# Altium PCB DevKit - PCB.PcbDoc (part 1 of 2)
Units mil, origin at the board's own origin, x right, y up, seen from the top; angles counter-clockwise.
Board outline 3858.27 x 2047.24 mil, 2 copper layers (Top Layer, Bottom Layer), stack 61.855 mil thick; 117 components, 64 nets, 574 pads, 426 vias.
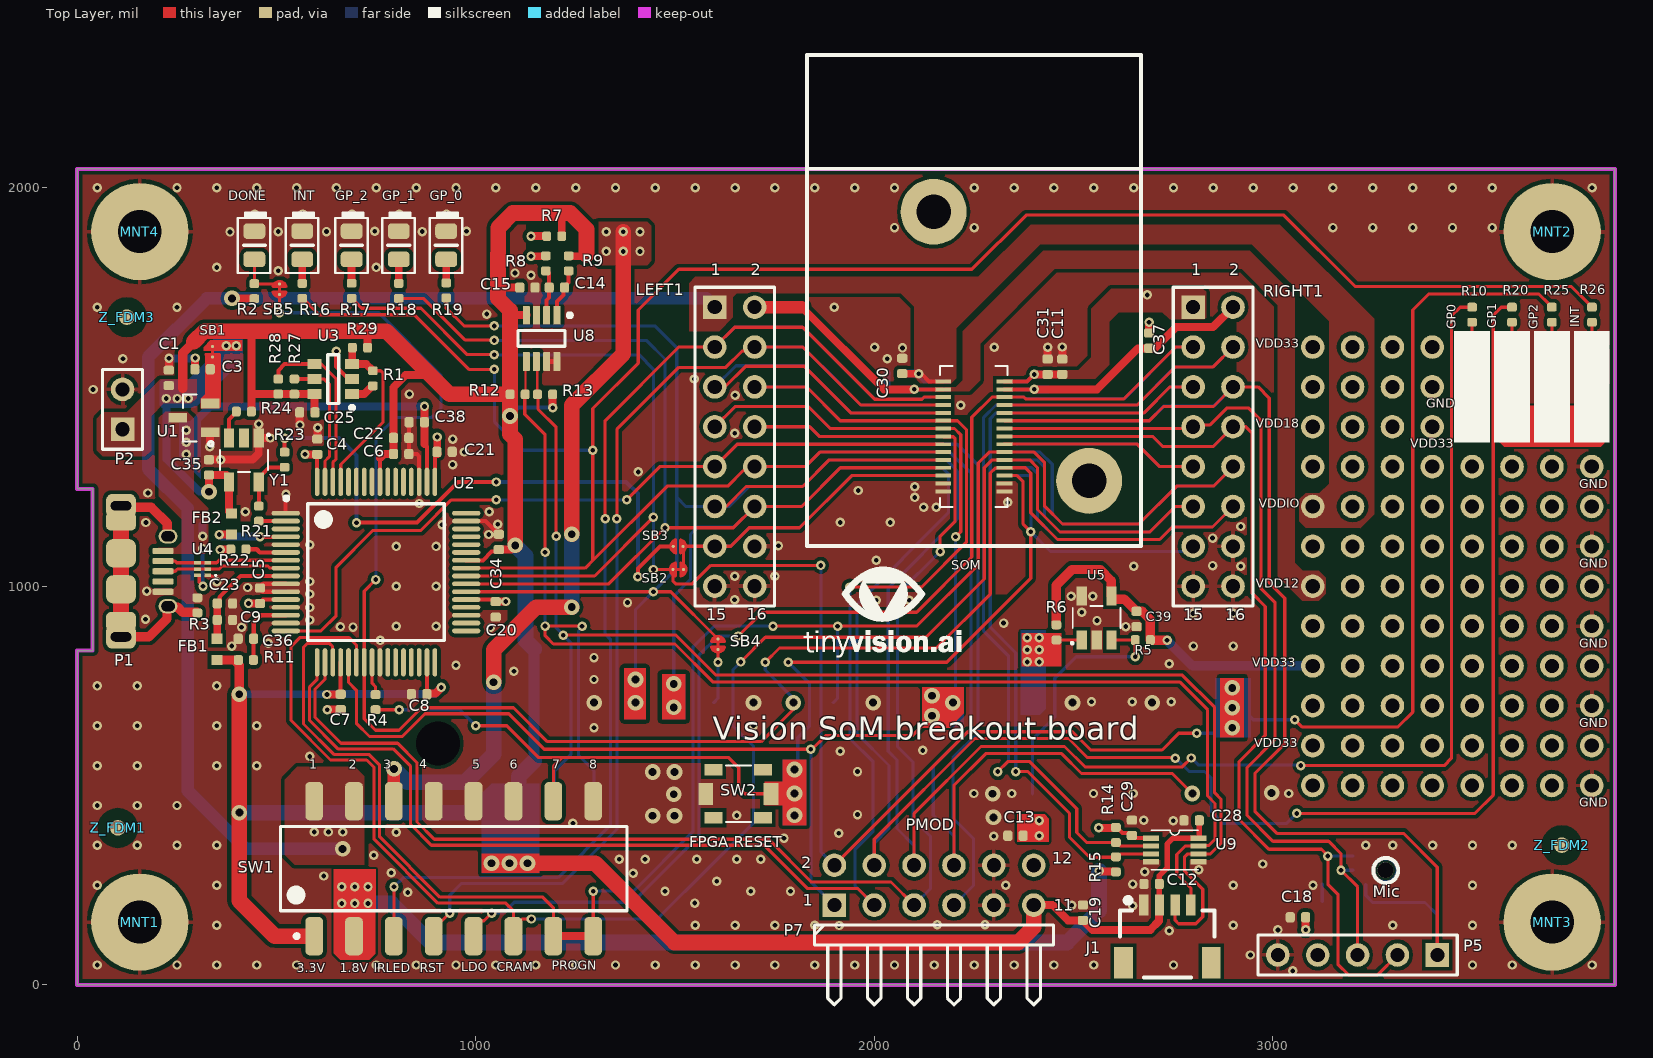
[diagram p0: Top Layer view]
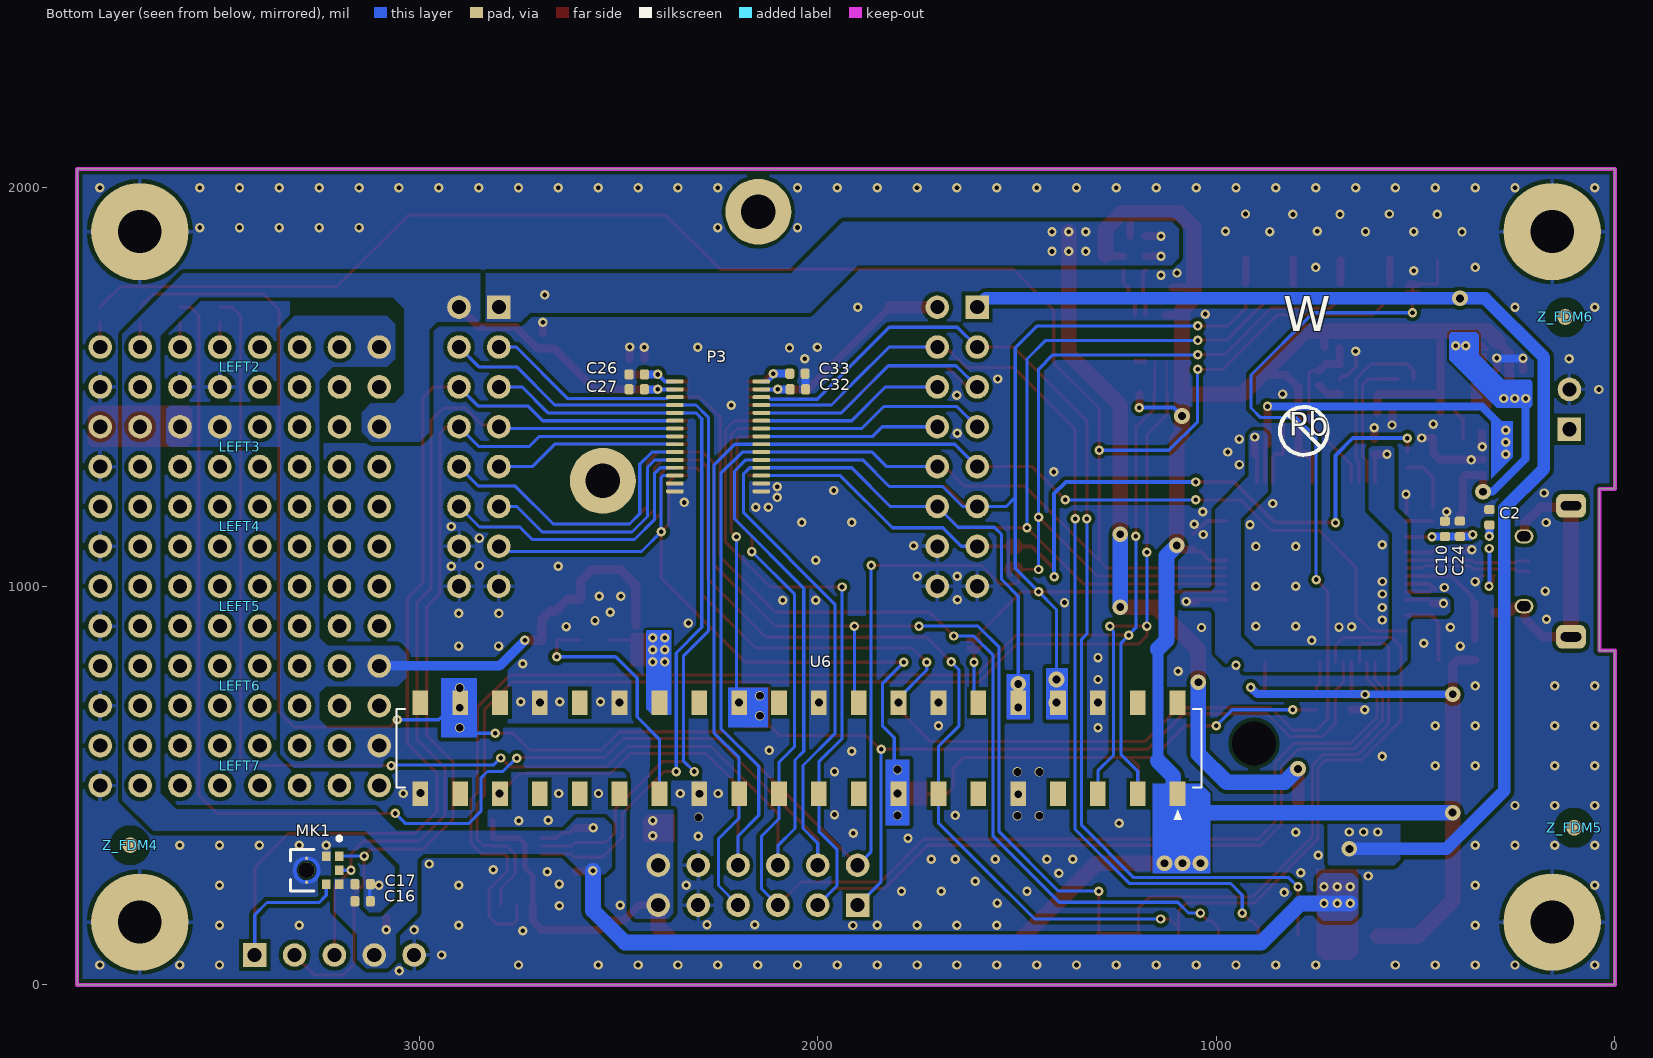
[diagram p1: Bottom Layer view, seen from below]
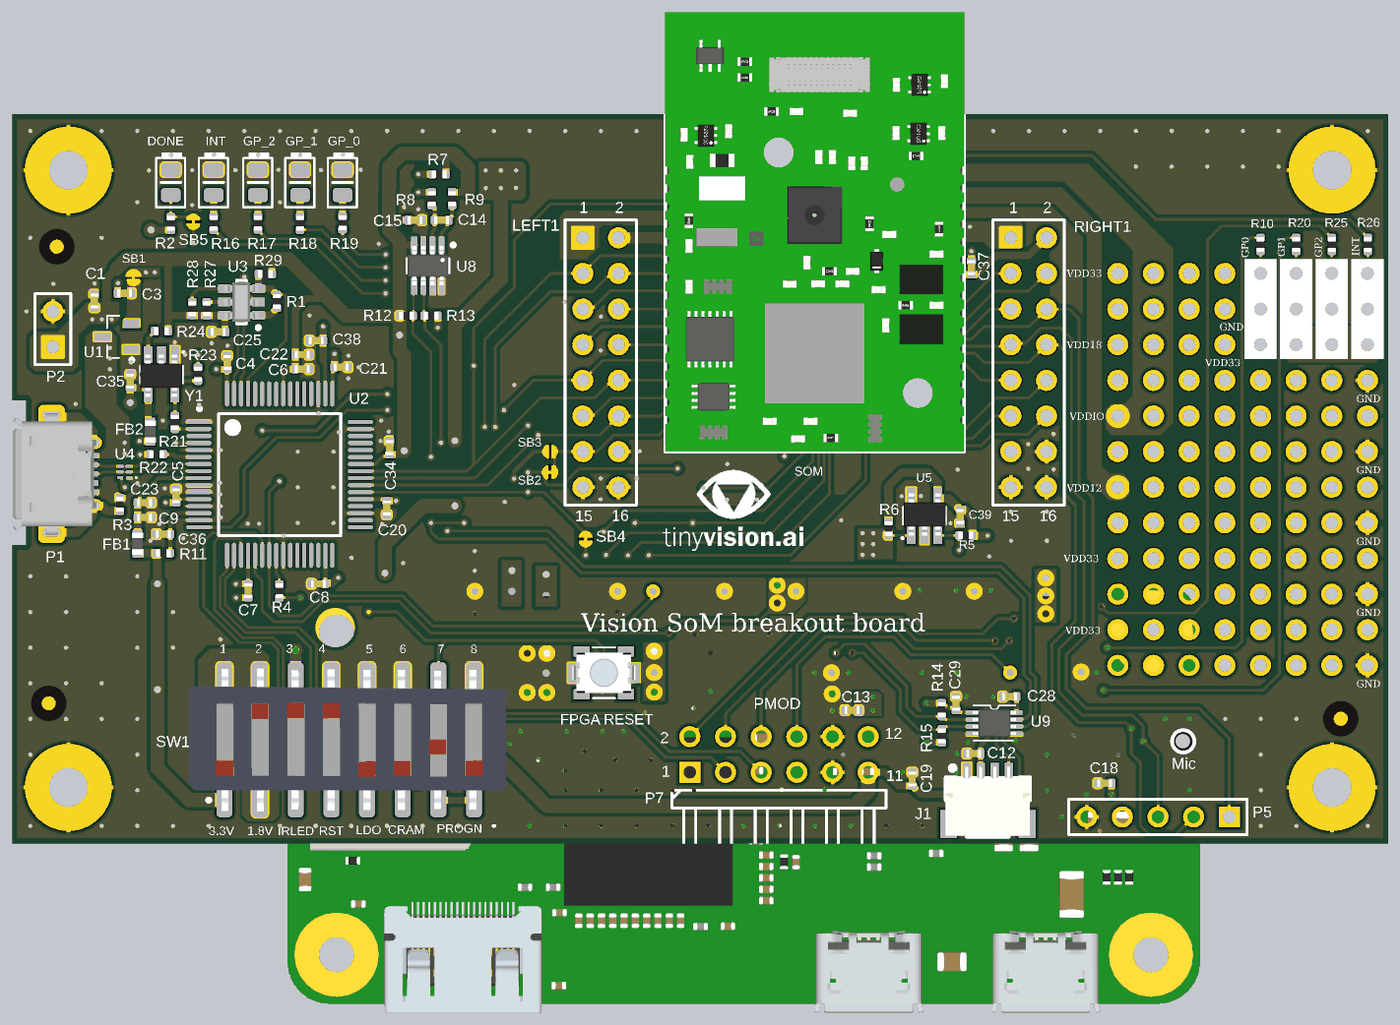
[diagram p3: 3D render of the assembled board from above, using the file's embedded part models]
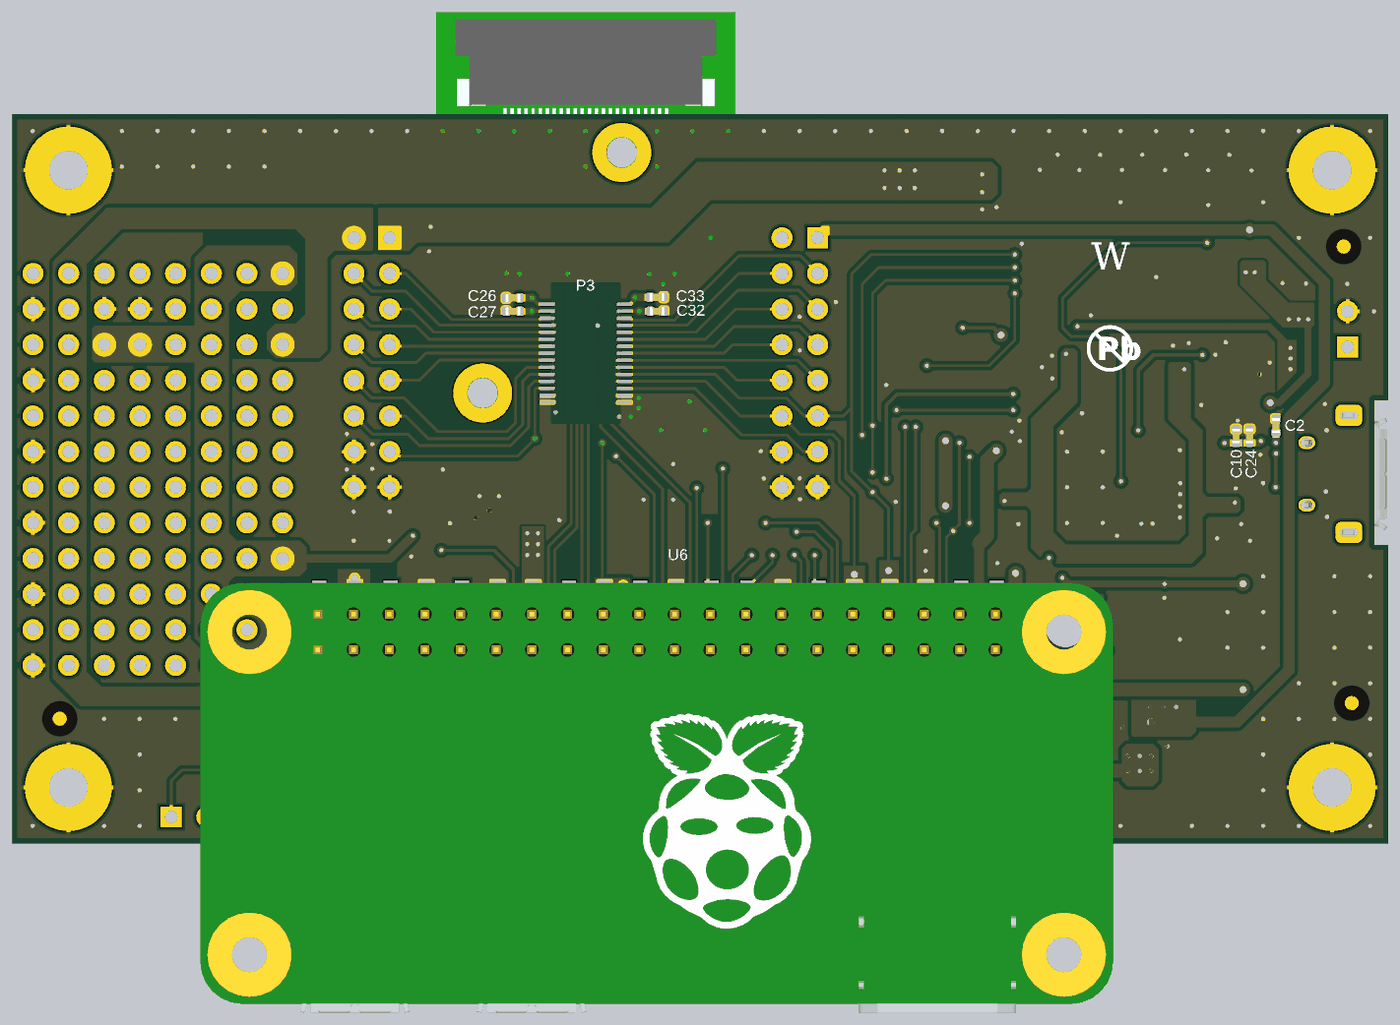
[diagram p4: 3D render of the assembled board from below, using the file's embedded part models]

## Layer stack, top to bottom
Top Solder: solder mask 0.4, Solder Resist, Dk 3.5
Top Layer: signal copper 1.4
Dielectric 1: dielectric 59.0551, FR-4, Dk 4.8
Bottom Layer: signal copper 1.4
Bottom Solder: solder mask 0.4, Solder Resist, Dk 3.5

## Board outline
0,0 0,838.58 39.37,838.58 39.37,1244.09 0,1244.09 0,2047.24 3858.27,2047.24 3858.27,0

## Design rules (kind name [scope] priority, off if disabled: settings)
Clearance [All] p1: gap=5.91 ignorepadtopadclearanceinfootprint=FALSE except(0: Text-Text; 5: Arc-Track Arc-SMDPad Arc-THPad Arc-Hole; 9.45: Arc-Poly Track-Poly SMDPad-Poly THPad-Poly Via-Poly Fill-Poly Poly-Poly)
ComponentClearance Y1 [InComponent('Y1')or InComponent('R20')or InComponent('R24')or InComponent('C1')] p1: gap=0 collisioncheckmode=3 verticalgap=0 showdistances=FALSE
ComponentClearance [All] p2: gap=8.5 collisioncheckmode=3 verticalgap=8.5 showdistances=FALSE
DiffPairsRouting [All] p1: maxlimit=10 minlimit=7.87 mostfreqgap=10 toplayer_minwidth=7.87 toplayer_maxwidth=15 toplayer_prefwidth=15 bottomlayer_minwidth=7.87 bottomlayer_maxwidth=15 bottomlayer_prefwidth=15 maxuncoupledlength=500
HoleSize [All] p1: absolutevalues=TRUE maxlimit=248.03 minlimit=1 maxpercent=80.000 minpercent=20.000
MinimumSolderMaskSliver [All] p1: minsoldermaskwidth=0
PlaneConnect [All] p1: planeconnectstyle=Direct reliefexpansion=20 reliefentries=4 reliefconductorwidth=10 reliefairgap=10
PolygonConnect PolygonConnect_PWR [InNetClass('PWR')] p1: connectstyle=Direct reliefconductorwidth=10 reliefentries=4 polygonreliefangle="90 Angle" airgapwidth=10
PolygonConnect [All] p2: thpad.connectstyle=Relief thpad.reliefconductorwidth=10 thpad.reliefentries=4 thpad.polygonreliefangle="90 Angle" thpad.airgapwidth=10 smdpad.connectstyle=Direct smdpad.reliefconductorwidth=10 smdpad.reliefentries=4 smdpad.polygonreliefangle="90 Angle" smdpad.airgapwidth=10 via.connectstyle=Direct via.reliefconductorwidth=10 via.reliefentries=4 via.polygonreliefangle="90 Angle" via.airgapwidth=10
RoutingVias [All] p1: holewidth=11.81 width=23.62 viastyle="Through Hole" minholewidth=11.81 minwidth=23.62 maxholewidth=28 maxwidth=50
SilkToSilkClearance [All] p1: silktosilkclearance=2
SilkToSolderMaskClearance [IsPad] p1: minsilkscreentomaskgap=2 clearancetoexposedcopper=TRUE
SolderMaskExpansion [All] p1: expansion=4 istentingtop=FALSE
UnpouredPolygon [All] p1: allowunpoured=TRUE
ViasUnderSMD [All] p1: allowed=FALSE
Width [All] p1: maxlimit=157.48 minlimit=5.91 preferedwidth=5.91
22 further rules are at their usual default settings.

## Classes and differential pairs
net class PWR: NetC3_1 VDD12 VDD18 VDD33 VDD33_SOM VDDIO VDDUSB
component class "DevKit Board": C1 C2 C3 C4 C5 C6 C7 C8 C9 C10 C11 C12 C13 C14 C15 C16 C17 C18 C19 C20 C21 C22 C23 C24 C25 C28 C29 C30 C31 C34 C35 C36 C37 C38 DONE FB1 FB2 GP_0 GP_1 GP_2 INT J1 LEFT1 MK1 MNT1 MNT2 MNT3 MNT4 P1 P2 P5 P7 R1 R2 R3 R4 R7 R8 R9 R11 R12 R13 R14 R15 R16 R17 R18 R19 R21 R22 R23 R24 R27 R28 R29 RIGHT1 SB1 SB2 SB3 SB5 SOM SW1 SW2 U1 U2 U3 U4 U8 U9 Y1 Z_FDM1 Z_FDM2 Z_FDM3 Z_FDM4 Z_FDM5 Z_FDM6
component class Proto_Connections: C26 C27 C32 C33 C39 LEFT2 LEFT3 LEFT4 LEFT5 LEFT6 LEFT7 P3 R5 R6 R10 R20 R25 R26 SB4 U5 U6
differential pair USB: +USB_P -USB_N

## Components (designator, comment, footprint, x,y, rotation, side; value= is the part's Value field where it differs from the comment)
C1 "4.7uF" CAPC1005X60N 230.31,1522.64 r90 top
C2 "0.1uF" CAPC1005X60N 315,1173 r90 bottom
C3 "0.1uF" CAPC1005X60N 314.96,1544.29 r180 top
C4 "0.1uF" CAPC1005X60N 602.76,1350 r90 top
C5 "0.1uF" CAPC1005X60N 459,976 r90 top
C6 "0.1uF" CAPC1005X60N 812.99,1331.69 r0 top
C7 "0.1uF" CAPC1005X60N 661.42,709.65 r270 top
C8 "0.1uF" CAPC1005X60N 858.27,729.13 r180 top
C9 "0.1uF" CAPC1005X60N 371.06,915.35 r0 top
C10 "0.1uF" CAPC1005X60N 426.55,1143.7 r90 bottom
C11 "4.7uF" CAPC1005X60N 2471.85,1550.53 r90 top
C12 "0.1uF" CAPC1005X60N 2695.87,252.95 r180 top
C13 "0.1uF" CAPC1005X60N 2354.33,374.02 r180 top
C14 "DNI" CAPC1005X60N 1203.84,1749.32 r0 top
C15 "0.1uF" CAPC1005X60N 1129.92,1749.32 r0 top
C16 "0.1uF" CAPC1005X60N 3141.73,209.65 r180 bottom
C17 "470pF" CAPC1005X60N 3141.73,252.35 r180 bottom
C18 "0.1uF" CAPC1005X60N 3062.99,169.29 r180 top
C19 "0.1uF" CAPC1005X60N 2523.62,181.1 r90 top
C20 "0.1uF" CAPC1005X60N 1050.2,941.93 r270 top
C21 "4.7uF" CAPC1005X60N 922,1337 r0 top
C22 "4.7uF" CAPC1005X60N 813,1372 r0 top
C23 "4.7uF" CAPC1005X60N 371.06,956.69 r0 top
C24 "4.7uF" CAPC1005X60N 389,1144 r90 bottom
C25 "0.1uF" CAPC1005X60N 577.76,1436.02 r0 top
C26 "0.1uF" CAPC1005X60N 2454.15,1531.28 r0 bottom
C27 "0.1uF" CAPC1005X60N 2454.15,1493.88 r0 bottom
C28 "0.1uF" CAPC1005X60N 2796.26,412.4 r180 top
C29 "0.1uF" CAPC1005X60N 2646.46,393.7 r90 top
C30 "4.7uF" CAPC1005X60N 2070.24,1552.54 r90 top
C31 "4.7uF" CAPC1005X60N 2434.84,1550.53 r90 top
C32 "0.1uF" CAPC1005X60N 2049.92,1493.85 r180 bottom
C33 "0.1uF" CAPC1005X60N 2050.9,1533.22 r180 bottom
C34 "0.1uF" CAPC1005X60N 1058,1111 r90 top
C35 "0.1uF" CAPC1005X60N 331,1298 r270 top
C36 "0.1uF" CAPC1005X60N 423.62,868.31 r0 top
C37 "4.7uF" CAPC1005X60N 2689.4,1616.2 r90 top
C38 "0.1uF" CAPC1005X60N 852.36,1411.52 r180 top
C39 "0.1uF" CAPC1005X60N 2657.91,917.78 r90 top
DONE "GREEN" LED2012N 444.88,1855.31 r90 top
FB1 "BLM18HE152SN1D" MURA-BLM18-RF-H4-CHIP-2_V 351.38,841.54 r270 top
FB2 "BLM18HE152SN1D" MURA-BLM18-RF-H4-CHIP-2_V 387,1156 r90 top
GP_0 "GREEN" LED2012N 926.18,1855.31 r90 top
GP_1 "GREEN" LED2012N 807.09,1855.31 r90 top
GP_2 "GREEN" LED2012N 688.98,1855.31 r90 top
INT "GREEN" LED2012N 564.96,1855.31 r90 top
J1 "" 1X04_1MM_RA 2735.24,200 r0 top
LEFT1 "CONN_GENERIC_16" HDR2x8#1 1600,1700 r270 top locked value="2.54mm pitch"
LEFT2 "CONN_GENERIC_16" HDR2x8#2 3100,1600 r0 bottom value="2.54mm pitch"
LEFT3 "CONN_GENERIC_16" HDR2x8#2 3100,1400 r0 bottom value="2.54mm pitch"
LEFT4 "CONN_GENERIC_16" HDR2x8#2 3100,1200 r0 bottom value="2.54mm pitch"
LEFT5 "CONN_GENERIC_16" HDR2x8#2 3100,1000 r0 bottom value="2.54mm pitch"
LEFT6 "CONN_GENERIC_16" HDR2x8#2 3100,800 r0 bottom value="2.54mm pitch"
LEFT7 "CONN_GENERIC_16" HDR2x8#2 3100,600 r0 bottom value="2.54mm pitch"
MK1 "SPH0645LM4H-B" Knowles_SPH0645LM4H-B_0 3254.28,287.4 r270 bottom
MNT1 "MOUNTING HOLE" MNT620-275N#1 186.63,162.2 r0 top
MNT2 "MOUNTING HOLE" MNT620-275N#2 2826.77,1889.76 r0 top
MNT3 "MOUNTING HOLE" MNT620-275N#2 2826.77,157.48 r0 top
MNT4 "MOUNTING HOLE" MNT620-275N#3 177.46,1889.76 r0 top
P1 "0475890001" *MOLEX_0475890001 110.24,1037.4 r270 top
P2 "External Power" HDR1X2 114.17,1393.7 r90 top
P3 "DF23C-30DS-0.5V(51)" DF23C-30DS-0.5V 2250,1375.87 r90 bottom locked
P5 "Mic connector" HDR1X5 3412.6,74.8 r180 top
P7 "Header 6X2H" HDR2X6H 1900,200 r0 top locked
R1 "1K" RESC1005X40N 742.13,1521.65 r270 top
R2 "1K" RESC1005X40N 444.88,1740.16 r90 top
R3 "0" RESC1005X40N 302,952 r270 top
R4 "0" RESC1005X40N 749,709.06 r270 top
R5 "10K" RESC1005X40N 2673.72,864.88 r0 top
R6 "10K" RESC1005X40N 2457,884 r90 top
R7 "1" RESC1005X40N 1197.15,1878.05 r180 top
R8 "0" RESC1005X40N 1176.08,1810.04 r270 top
R9 "0" RESC1005X40N 1233.39,1810.04 r270 top
R10 "27" RESC1005X40N 3500,1681.1 r90 top
R11 "10k" RESC1005X40N 423.62,814.96 r0 top
R12 "10K" RESC1005X40N 1105.31,1481.3 r180 top
R13 "10K" RESC1005X40N 1174.21,1481.3 r0 top
R14 "10K" RESC1005X40N 2606.3,375.98 r90 top
R15 "10K" RESC1005X40N 2606.3,302.17 r270 top
R16 "1K" RESC1005X40N 564.96,1740.94 r90 top
R17 "1K" RESC1005X40N 688.98,1741.14 r90 top
R18 "1K" RESC1005X40N 807.09,1740.94 r90 top
R19 "1K" RESC1005X40N 926.18,1742.13 r90 top
R20 "27" RESC1005X40N 3600,1681.1 r90 top
R21 "27" RESC1005X40N 456,1182 r270 top
R22 "12K" RESC1005X40N 404.72,1092.52 r0 top
R23 "27" RESC1005X40N 520.87,1317.29 r90 top
R24 "10K" RESC1005X40N 418.51,1438.1 r180 top
R25 "27" RESC1005X40N 3700,1681.1 r90 top
R26 "27" RESC1005X40N 3800.78,1681.1 r90 top
R27 "10K" RESC1005X40N 545.28,1500.79 r90 top
R28 "10K" RESC1005X40N 504.92,1500.98 r90 top
R29 "10K" RESC1005X40N 709.65,1598.43 r180 top
RIGHT1 "CONN_GENERIC_16" HDR2x8#1 2800,1700 r270 top locked value="2.54mm pitch"
SB1 "Solderbridge" Solderbridge_Shorted 340,1588 r270 top net-tie
SB2 "Solderbridge" Solderbridge_Shorted 1508,1042 r180 top net-tie
SB3 "Solderbridge" Solderbridge 1508,1100 r180 top
SB4 "Solderbridge" Solderbridge_Shorted 1608,854.3 r90 top net-tie
SB5 "Solderbridge" Solderbridge_Shorted 508,1745 r270 top net-tie
SOM "Module" SOM-SMD 2250,1716.42 r0 top locked
SW1 "219-8LPST" CTS-219-8LPST_V 944.88,291.34 r90 top locked
SW2 "PTS820 J25K SMTR LFS" PTS820J25MSMTRLFS 1659,479.25 r180 top
U1 "AP2120N-3.3TRG1" *SOT91P240X110-3N 293.31,1422.24 r180 top
U2 "FT2232HL-Reel" LQFP-64 750,1035.43 r0 top
U3 "93LC56BT-I/OT" SOT-23-OT6_L 642.72,1519.69 r180 top
U4 "ESDR0502NMUTAG" ONSC-UDFN-6-517AA-01_V 315,1043 r180 top
U5 "24AA01T-I_OT" SOT23-5 2557.99,920 r0 top
U6 "Raspberry_Pi_Zero_W__v1.3_" RPI0w1.3 2047.24,593.62 r180 bottom locked
U8 "INA219BIDCNR" DCN0008A_M 1165.45,1621.76 r270 top
U9 "TC7WPB9307FK" SSOP8-P-0.50A 2753.94,338.28 r0 top
Y1 "12MHz" SOT23-5 418.51,1316.49 r180 top
Z_FDM1 "FCM" FID100X250N 102.36,393.31 r90 top
Z_FDM2 "FCM" FID100X250N 3725,350 r90 top
Z_FDM3 "FCM" FID100X250N 125,1674.61 r90 top
Z_FDM4 "FCM" FID100X250N 3725,350 r90 bottom
Z_FDM5 "FCM" FID100X250N 102.36,393.7 r90 bottom
Z_FDM6 "FCM" FID100X250N 125,1675 r90 bottom

## Footprints (in the part's own frame and the unit in brackets; to place one, negate y for a bottom-side part, rotate by r counter-clockwise, add the part's x,y. Pads: shape width x height; smd on the part's side, far side on the other; paste and mask are expansions set on the pad)
1X04_1MM_RA [mm]
  rect 0.6x1.35 smd: 1(-1.5,0) 2(-0.5,0) 3(0.5,0) 4(1.5,0)
  rect 1.2x2 smd: NC1(2.8,-3.675) NC2(-2.8,-3.675)
  silkscreen extent -3,-4.6 3,0.44, body extent -3,-4.53 3,0.42, height 3.25
*MOLEX_0475890001 [mm]
  rrect50% 0.4x1.35 smd mask+0.051: 1(-1.3,2.675) 2(-0.65,2.675) 3(0,2.675) 4(0.65,2.675) 5(1.3,2.675)
  rrect50% 1.5x1.9 hole 0.6 slot 1.3 at 90 deg: SH(-4.175,0) SH(4.175,0)
  rrect50% 1.175x1.9 smd: SH(-3.187,0) SH(3.187,0)
  oval 0.9x1.2 hole 0.65 slot 0.85 at 90 deg: SH(-2.225,3) SH(2.225,3)
  rrect50% 1.8x1.9 smd: SH(-1.15,0) SH(1.15,0)
  body extent -4.32,-2.72 4.32,3.17, height 2.74
*SOT91P240X110-3N [mm]
  rect 1.18x0.61 smd: 1(-1.025,0.915) 2(-1.025,-0.915) 3(1.025,0)
  silkscreen extent -1.22,-1.5 0.7,1.79
CAPC1005X60N [mm]
  rrect50% 0.58x0.66 smd: 1(-0.49,0) 2(0.49,0)
  body extent -0.52,-0.27 0.53,0.28, height 0.55
CTS-219-8LPST_V [mm]
  rrect50% 2.44x1.13 smd: 1(-4.3,8.89) 2(-4.3,6.35) 3(-4.3,3.81) 4(-4.3,1.27) 5(-4.3,-1.27) 6(-4.3,-3.81) 7(-4.3,-6.35) 8(-4.3,-8.89) 9(4.3,-8.89) 10(4.3,-6.35) 11(4.3,-3.81) 12(4.3,-1.27) 13(4.3,1.27) 14(4.3,3.81) 15(4.3,6.35) 16(4.3,8.89)
  silkscreen extent -4.42,-11.04 2.68,11.04, body extent -5.1,-11.4 5.08,11.4, height 3.37
DCN0008A_M [mm]
  rrect22% 1.2x0.45 smd mask+0.051: 1(-1.475,0.975) 2(-1.475,0.325) 3(-1.475,-0.325) 4(-1.475,-0.975) 5(1.475,-0.975) 6(1.475,-0.325) 7(1.475,0.325) 8(1.475,0.975)
  silkscreen extent -1.6,-1.5 0.5,1.92, body extent -1.4,-1.45 1.4,1.45, height 1.45
DF23C-30DS-0.5V [mm]
  rrect50% 0.25x1.1 smd mask+0.055: 1(3.5,2.755) 2(3.5,-2.755) 3(3,2.755) 4(3,-2.755) 5(2.5,2.755) 6(2.5,-2.755) 7(2,2.755) 8(2,-2.755) 9(1.5,2.755) 10(1.5,-2.755) 11(1,2.755) 12(1,-2.755) 13(0.5,2.755) 14(0.5,-2.755) 15(0,2.755) 16(0,-2.755) 17(-0.5,2.755) 18(-0.5,-2.755) 19(-1,2.755) 20(-1,-2.755) 21(-1.5,2.755) 22(-1.5,-2.755) 23(-2,2.755) 24(-2,-2.755) 25(-2.5,2.755) 26(-2.5,-2.755) 27(-3,2.755) 28(-3,-2.755) 29(-3.5,2.755) 30(-3.5,-2.755)
  body extent -5.05,-3 5.05,3, height 1.51
FID100X250N [mm]
  round 1 smd paste-0.5 mask+0.75: 1(0.01,0)
  Top Layer pour cut-out: 1.281,0 1.237,0.332 1.109,0.64 0.906,0.906 0.64,1.109 0.332,1.237 0,1.281 -0.332,1.237 -0.64,1.109 -0.906,0.906 -1.109,0.64 -1.237,0.332 -1.281,0 -1.237,-0.332 -1.109,-0.64 -0.906,-0.906 -0.64,-1.109 -0.332,-1.237 0,-1.281 0.332,-1.237 0.64,-1.109 0.906,-0.906 1.109,-0.64 1.237,-0.332
HDR1X2 [mm] "Connector; Header; 2 Position"
  rect 1.5x1.5 hole 0.9: 1(0,0)
  round 1.5 hole 0.9: 2(2.54,0)
  silkscreen extent -1.27,-1.27 3.81,1.27
HDR1X5 [mm] "Connector; Header; 5 Position"
  rect 1.5x1.5 hole 0.9: 1(0,0)
  round 1.5 hole 0.9: 2(2.54,0) 3(5.08,0) 4(7.62,0) 5(10.16,0)
  silkscreen extent -1.27,-1.27 11.43,1.27
HDR2X6H [mm] "Connector; Header; 6x2 Position; Right Angle"
  rect 1.5x1.5 hole 0.9: 1(0,0)
  round 1.5 hole 0.9: 2(0,2.54) 3(2.54,0) 4(2.54,2.54) 5(5.08,0) 6(5.08,2.54) 7(7.62,0) 8(7.62,2.54) 9(10.16,0) 10(10.16,2.54) 11(12.7,0) 12(12.7,2.54)
  silkscreen extent -1.27,-6.35 13.97,-1.27
HDR2x8#1 [mm] "Connector; Header; 8x2 Position"
  rect 1.5x1.5 hole 0.9: 1(0,0)
  round 1.5 hole 0.9: 2(0,2.54) 3(2.54,0) 4(2.54,2.54) 5(5.08,0) 6(5.08,2.54) 7(7.62,0) 8(7.62,2.54) 9(10.16,0) 10(10.16,2.54) 11(12.7,0) 12(12.7,2.54) 13(15.24,0) 14(15.24,2.54) 15(17.78,0) 16(17.78,2.54)
  silkscreen extent -1.27,-1.27 19.05,3.81
HDR2x8#2 [mm] "Connector; Header; 8x2 Position"
  round 1.5 hole 0.9: 1(0,0) 2(0,2.54) 3(2.54,0) 4(2.54,2.54) 5(5.08,0) 6(5.08,2.54) 7(7.62,0) 8(7.62,2.54) 9(10.16,0) 10(10.16,2.54) 11(12.7,0) 12(12.7,2.54) 13(15.24,0) 14(15.24,2.54) 15(17.78,0) 16(17.78,2.54)
Knowles_SPH0645LM4H-B_0 [mm]
  rect 0.6x0.522 smd paste+0 mask+0: 1(-0.9,1.364) 2(-0.9,0.542) 4(0.9,0.542) 5(0.9,1.364) 6(0,1.364)
  round 0.2 smd: 3(-0.762,-0.71) 3(0.762,-0.71)
  round 1.016 hole 1.016 unplated mask+0: ""(0,-0.71)
  Top Layer circle w0.254: c0,-0.71 r0.762